# KiCad board V1.1_XT30_version.kicad_pcb (continued)
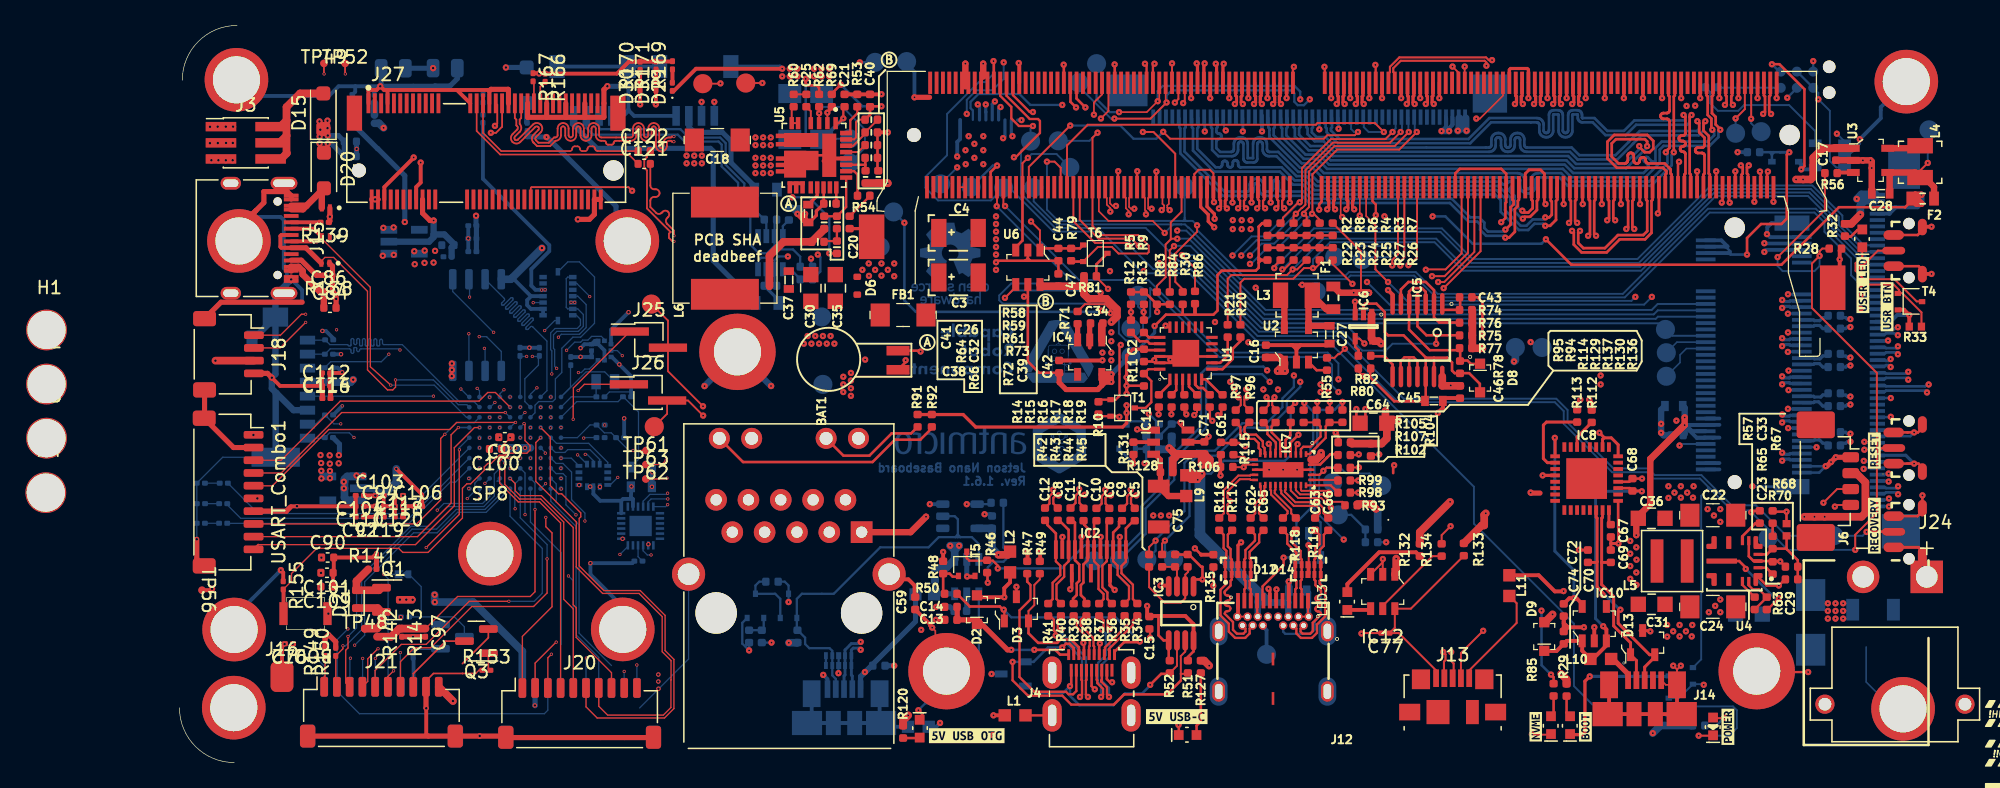
[diagram p0: board, top side]
## Routing (per net, layer and track width the routed paths; a pad name or vN(x,y) marks a point on that pad's centre or on a via; arc(x,y) is an arc through that point) (continued)
/CSI/CSI_D_D1_N: length 55.2
  Top w0.21: 109.64,42.49 109.64,44.13 109.73,44.21 109.73,45.2
  In5_3V3_SYS_SIGNAL.Cu w0.128: 134.27,20.12 134.09,20.29 132.63,20.29 132.04,20.88 121.25,20.88 119.59,22.55 115.47,22.55 112.33,25.69 112.33,26.26 112.33,26.29 112.32,26.32 112.3,26.34 112.28,26.36 112.26,26.37 112.23,26.38 112.21,26.39 112.06,26.39 111.98,26.4 111.9,26.42 111.84,26.46 111.78,26.52 111.74,26.59 111.71,26.66 111.7,26.74 111.7,26.79 111.71,26.87 111.74,26.95 111.78,27.01 111.84,27.07 111.9,27.11 111.98,27.14 112.06,27.15 112.83,27.15 112.86,27.15 112.89,27.16 112.91,27.18 112.93,27.19 112.94,27.22 112.95,27.24 112.96,27.27 112.96,27.28 112.95,27.31 112.94,27.33 112.93,27.36 112.91,27.38 112.89,27.39 112.86,27.4 112.83,27.4 112.08,27.4 112.01,27.41 111.94,27.44 111.88,27.48 111.82,27.53 111.79,27.59 111.76,27.66 111.75,27.74 111.75,27.84 111.76,27.91 111.79,27.98 111.82,28.04 111.88,28.09 111.94,28.13 112.01,28.16 112.08,28.17 112.83,28.17 112.86,28.17 112.89,28.18 112.91,28.19 112.93,28.21 112.94,28.24 112.95,28.26 112.96,28.29 112.96,28.3 112.95,28.33 112.94,28.35 112.93,28.38 112.91,28.4 112.89,28.41 112.86,28.42 112.83,28.42 112.06,28.42 111.98,28.43 111.9,28.46 111.84,28.5 111.78,28.56 111.74,28.62 111.71,28.7 111.7,28.78 111.7,28.83 111.71,28.91 111.74,28.98 111.78,29.05 111.84,29.11 111.9,29.15 111.98,29.18 112.06,29.18 112.21,29.18 112.23,29.19 112.26,29.2 112.28,29.21 112.3,29.23 112.32,29.25 112.33,29.28 112.33,29.31 112.33,38.69 111.6,39.43 109.62,39.43 109.39,39.66 108.36,40.69 108.36,42.93 108.66,43.23 109.46,43.23 109.61,43.08 109.61,42.6 v1(109.8,42.4)
  Bottom w0.21: 133.25,20.14 134.25,20.14
  vias: v1(134.3,20.12)
/CSI/CSI_D_D1_P: length 55.3
  Top w0.21: v1(109.16,42.4) 109.31,42.54 109.31,44.13 109.23,44.21 M1.66
  In5_3V3_SYS_SIGNAL.Cu w0.128: 134.27,20.74 134.07,20.54 133.78,20.54 133.75,20.54 133.72,20.55 133.7,20.57 133.68,20.59 133.66,20.61 133.65,20.64 133.65,20.67 133.65,20.78 133.65,20.8 133.64,20.83 133.62,20.86 133.6,20.88 133.58,20.89 133.55,20.9 133.52,20.9 133.49,20.9 133.47,20.89 133.44,20.88 133.42,20.86 133.41,20.83 133.4,20.8 133.4,20.78 133.4,20.67 133.39,20.64 133.38,20.61 133.37,20.59 133.35,20.57 133.32,20.55 133.3,20.54 133.27,20.54 132.74,20.54 132.72,20.56 132.71,20.59 132.7,20.62 132.7,20.65 132.71,20.67 132.72,20.7 132.74,20.72 132.89,20.87 132.9,20.89 132.92,20.92 132.92,20.94 132.92,20.97 132.92,21 132.9,21.03 132.89,21.05 132.86,21.07 132.84,21.08 132.81,21.09 132.78,21.09 132.75,21.08 132.73,21.07 132.7,21.05 132.56,20.9 132.54,20.88 132.51,20.87 132.48,20.87 132.45,20.87 132.43,20.87 132.4,20.88 132.38,20.9 132.14,21.14 121.35,21.14 119.69,22.8 115.57,22.8 112.58,25.79 112.58,26.28 112.57,26.36 112.55,26.44 112.5,26.51 112.45,26.56 112.38,26.6 112.31,26.63 112.23,26.64 112.08,26.64 112.05,26.64 112.03,26.65 112,26.67 111.98,26.69 111.97,26.71 111.96,26.74 111.96,26.76 111.96,26.77 111.96,26.8 111.97,26.83 111.98,26.85 112,26.87 112.03,26.88 112.05,26.89 112.08,26.9 112.85,26.9 112.93,26.9 113.01,26.93 113.07,26.97 113.13,27.03 113.17,27.1 113.2,27.17 113.21,27.25 113.21,27.3 113.2,27.38 113.17,27.46 113.13,27.52 113.07,27.58 113.01,27.62 112.93,27.65 112.85,27.66 112.1,27.66 112.08,27.66 112.06,27.67 112.04,27.68 112.03,27.69 112.02,27.71 112.01,27.73 112.01,27.76 112.01,27.81 112.01,27.84 112.02,27.86 112.03,27.88 112.04,27.89 112.06,27.9 112.08,27.91 112.1,27.91 112.85,27.91 112.93,27.92 113.01,27.95 113.07,27.99 113.13,28.05 113.17,28.11 113.2,28.19 113.21,28.27 113.21,28.32 113.2,28.4 113.17,28.47 113.13,28.54 113.07,28.6 113.01,28.64 112.93,28.67 112.85,28.68 112.08,28.68 112.05,28.68 112.03,28.69 112,28.7 111.98,28.72 111.97,28.75 111.96,28.77 111.96,28.8 111.96,28.81 111.96,28.84 111.97,28.86 111.98,28.88 112,28.9 112.03,28.92 112.05,28.93 112.08,28.93 112.23,28.93 112.31,28.94 112.38,28.97 112.45,29.01 112.5,29.07 112.55,29.13 112.57,29.21 112.58,29.29 112.58,38.8 111.7,39.68 109.72,39.68 108.61,40.79 108.61,42.82 108.76,42.97 109.36,42.97 109.36,42.59 v1(109.16,42.4)
  Bottom w0.21: 133.25,20.64 134.21,20.64 134.27,20.7
  vias: v1(134.3,20.74)
/CSI/CSI_E_CLK_N: length 43.8
  Top w0.21: M1.28 118.73,46.19 118.64,46.28 118.64,50.73 v1(118.79,50.87)
  Bottom w0.21: 90.04,50.62 90.04,49.9 90.13,49.82 90.13,49.52 90.99,48.65 101.4,48.65 103.04,50.3 106.62,50.3 106.67,50.29 106.71,50.28 106.75,50.25 106.79,50.22 106.81,50.18 106.83,50.13 106.83,50.09 106.83,49.64 106.85,49.53 106.88,49.42 106.94,49.32 107.03,49.24 107.12,49.18 107.23,49.14 107.35,49.13 107.41,49.13 107.52,49.14 107.63,49.18 107.73,49.24 107.81,49.32 107.87,49.42 107.91,49.53 107.92,49.64 107.92,50.86 107.92,50.87 107.93,50.88 107.93,50.89 107.94,50.9 107.95,50.91 107.97,50.91 107.98,50.91 108.28,50.91 108.3,50.91 108.31,50.91 108.32,50.9 108.33,50.89 108.34,50.88 108.34,50.87 108.34,50.86 108.34,49.64 108.36,49.53 108.39,49.42 108.45,49.32 108.54,49.24 108.63,49.18 108.74,49.14 108.86,49.13 108.92,49.13 109.03,49.14 109.14,49.18 109.24,49.24 109.32,49.32 109.38,49.42 109.42,49.53 109.43,49.64 109.43,50.86 109.43,50.87 109.44,50.88 109.44,50.89 109.45,50.9 109.46,50.91 109.48,50.91 109.49,50.91 109.79,50.91 109.81,50.91 109.82,50.91 109.83,50.9 109.84,50.89 109.85,50.88 109.85,50.87 109.85,50.86 109.85,50.67 109.86,50.58 109.89,50.51 109.93,50.44 109.99,50.38 110.06,50.33 110.14,50.31 110.22,50.3 111.03,50.3 112.03,49.29 113.62,49.29 114.44,50.11 118.45,50.11 118.64,50.31 118.64,50.73 v1(118.79,50.87)
/CSI/CSI_E_CLK_P: length 43.8
  Top w0.21: M1.30 118.23,46.19 118.31,46.28 118.31,47.79 118.3,47.83 118.29,47.88 118.26,47.92 118.23,47.95 118.19,47.97 118.15,47.99 118.06,48 118.01,48.01 117.98,48.04 117.94,48.07 117.92,48.11 117.9,48.15 117.9,48.2 117.9,48.21 117.9,48.25 117.92,48.3 117.94,48.34 117.98,48.37 118.01,48.39 118.06,48.41 118.15,48.42 118.19,48.43 118.23,48.46 118.26,48.49 118.29,48.53 118.3,48.57 118.31,48.62 118.3,48.67 118.29,48.71 118.26,48.75 118.23,48.78 118.19,48.81 118.15,48.82 118.1,48.83 118.01,48.83 117.96,48.83 117.92,48.85 117.88,48.88 117.84,48.91 117.82,48.95 117.8,48.99 117.8,49.04 117.8,49.09 117.82,49.13 117.84,49.17 117.88,49.2 117.92,49.23 117.96,49.24 118.01,49.25 118.1,49.25 118.15,49.25 118.19,49.27 118.23,49.3 118.26,49.33 118.29,49.37 118.3,49.41 118.31,49.46 118.31,50.73 v1(118.16,50.87)
  Bottom w0.21: v1(118.16,50.87) 118.31,50.73 118.31,50.44 114.3,50.44 113.48,49.63 112.17,49.63 111.16,50.63 110.24,50.63 110.23,50.63 110.22,50.64 110.21,50.64 110.2,50.65 110.19,50.66 110.19,50.68 110.19,50.69 110.19,50.88 110.18,50.96 110.15,51.04 110.11,51.11 110.05,51.17 109.98,51.21 109.9,51.24 109.82,51.25 109.47,51.25 109.38,51.24 109.31,51.21 109.24,51.17 109.18,51.11 109.13,51.04 109.11,50.96 109.1,50.88 109.1,49.67 109.09,49.63 109.08,49.58 109.05,49.54 109.02,49.51 108.98,49.49 108.93,49.47 108.89,49.46 108.84,49.47 108.8,49.49 108.76,49.51 108.72,49.54 108.7,49.58 108.68,49.63 108.68,49.67 108.68,50.88 108.67,50.96 108.64,51.04 108.6,51.11 108.54,51.17 108.47,51.21 108.39,51.24 108.31,51.25 107.96,51.25 107.87,51.24 107.8,51.21 107.73,51.17 107.67,51.11 107.62,51.04 107.6,50.96 107.59,50.88 107.59,49.67 107.58,49.63 107.57,49.58 107.54,49.54 107.51,49.51 107.47,49.49 107.42,49.47 107.38,49.46 107.33,49.47 107.29,49.49 107.25,49.51 107.21,49.54 107.19,49.58 107.17,49.63 107.17,49.67 107.17,50.12 107.15,50.23 107.12,50.34 107.06,50.44 106.97,50.52 106.88,50.58 106.77,50.62 106.65,50.63 102.91,50.63 101.26,48.99 91.13,48.99 90.46,49.66 90.46,49.82 90.54,49.9 90.54,50.62
/CSI/CSI_E_D0_N: length 43.7
  Top w0.21: v1(119.87,50.39) 119.73,50.24 119.73,49.65 120.14,49.23 120.14,46.28 120.23,46.19 M1.22
  Bottom w0.21: 88.54,50.62 88.54,49.9 88.63,49.82 88.63,49.37 89.19,48.81 89.89,48.81 90.72,47.98 102.89,47.98 103,48 103.11,48.03 103.21,48.09 103.29,48.18 103.35,48.27 103.39,48.38 103.4,48.5 103.4,48.91 103.41,48.96 103.42,49 103.45,49.04 103.48,49.08 103.52,49.1 103.57,49.12 103.61,49.12 103.66,49.12 103.7,49.1 103.74,49.08 103.78,49.04 103.8,49 103.82,48.96 103.82,48.91 103.82,48.5 103.84,48.38 103.87,48.27 103.93,48.18 104.02,48.09 104.11,48.03 104.22,48 104.34,47.98 104.39,47.98 104.5,48 104.61,48.03 104.71,48.09 104.79,48.18 104.85,48.27 104.89,48.38 104.9,48.5 104.9,48.91 104.91,48.96 104.92,49 104.95,49.04 104.98,49.08 105.02,49.1 105.07,49.12 105.11,49.12 105.16,49.12 105.2,49.1 105.24,49.08 105.28,49.04 105.3,49 105.32,48.96 105.32,48.91 105.32,48.5 105.34,48.38 105.37,48.27 105.43,48.18 105.52,48.09 105.61,48.03 105.72,48 105.84,47.98 109.24,47.98 109.84,47.38 112.96,47.38 114.2,48.62 114.2,48.63 114.48,48.91 114.49,48.91 114.85,49.28 119.35,49.28 119.73,49.65 119.73,50.24 v1(119.87,50.39)
/CSI/CSI_E_D0_P: length 43.7
  Top w0.21: v1(119.25,50.39) 119.39,50.24 119.39,49.51 119.81,49.09 119.81,48.52 119.8,48.47 119.79,48.43 119.76,48.39 119.73,48.36 119.69,48.33 119.65,48.32 119.6,48.31 119.29,48.31 119.25,48.31 119.2,48.29 119.16,48.26 119.13,48.23 119.1,48.19 119.09,48.15 119.08,48.1 119.09,48.05 119.1,48.01 119.13,47.97 119.16,47.94 119.2,47.91 119.25,47.9 119.29,47.89 119.6,47.89 119.65,47.89 119.69,47.87 119.73,47.84 119.76,47.81 119.79,47.77 119.8,47.73 119.81,47.68 119.81,46.28 119.73,46.19 M1.24
  Bottom w0.21: v1(119.25,50.39) 119.39,50.24 119.39,49.79 119.22,49.61 114.72,49.61 114.35,49.24 114.34,49.24 113.86,48.77 113.86,48.76 112.82,47.72 109.98,47.72 109.38,48.32 105.87,48.32 105.82,48.32 105.78,48.34 105.74,48.36 105.7,48.4 105.68,48.44 105.66,48.48 105.66,48.53 105.66,48.94 105.64,49.06 105.61,49.17 105.55,49.26 105.46,49.34 105.37,49.41 105.26,49.44 105.14,49.46 105.08,49.46 104.97,49.44 104.86,49.41 104.76,49.34 104.68,49.26 104.62,49.17 104.58,49.06 104.57,48.94 104.57,48.53 104.56,48.48 104.55,48.44 104.52,48.4 104.49,48.36 104.45,48.34 104.4,48.32 104.36,48.32 104.37,48.32 104.32,48.32 104.28,48.34 104.24,48.36 104.2,48.4 104.18,48.44 104.16,48.48 104.16,48.53 104.16,48.94 104.14,49.06 104.11,49.17 104.05,49.26 103.96,49.34 103.87,49.41 103.76,49.44 103.64,49.46 103.58,49.46 103.47,49.44 103.36,49.41 103.26,49.34 103.18,49.26 103.12,49.17 103.08,49.06 103.07,48.94 103.07,48.53 103.06,48.48 103.05,48.44 103.02,48.4 102.99,48.36 102.95,48.34 102.9,48.32 102.86,48.32 102.62,48.32 90.85,48.32 90.03,49.14 89.33,49.14 88.96,49.51 88.96,49.82 89.04,49.9 89.04,50.62
/CSI/CSI_E_D1_N: length 43.7
  Top w0.21: v1(115.3,48.43) 115.3,48.8 115.13,48.97 112.85,48.97 112.52,48.64 112.52,47.6 113.06,47.07 113.55,47.07 113.6,47.07 113.65,47.09 113.69,47.12 113.73,47.15 113.76,47.2 113.77,47.25 113.78,47.3 113.78,47.67 113.79,47.72 113.8,47.77 113.83,47.81 113.87,47.85 113.91,47.88 113.96,47.9 114.02,47.9 114.07,47.9 114.12,47.88 114.16,47.85 114.2,47.81 114.23,47.77 114.24,47.72 114.25,47.67 114.25,47.3 114.26,47.25 114.27,47.2 114.3,47.15 114.34,47.12 114.38,47.09 114.43,47.07 114.49,47.07 114.54,47.07 114.59,47.09 114.63,47.12 114.67,47.15 114.7,47.2 114.71,47.25 114.72,47.3 114.72,47.32 114.73,47.37 114.74,47.42 114.77,47.46 114.81,47.5 114.85,47.53 114.9,47.55 114.96,47.55 115.01,47.55 115.06,47.53 115.1,47.5 115.14,47.46 115.17,47.42 115.18,47.37 115.19,47.32 115.19,47.3 115.2,47.25 115.21,47.2 115.24,47.15 115.28,47.12 115.32,47.09 115.37,47.07 115.43,47.07 116.68,47.07 117.14,46.6 117.14,46.28 117.23,46.19 117.23,45.2
  Bottom w0.21: 87.54,50.62 87.54,49.9 87.63,49.82 87.63,49.18 88.71,48.1 89.65,48.1 90.44,47.31 108.96,47.31 109.58,46.69 113.67,46.69 115.16,48.19 115.16,48.28 v1(115.3,48.43) 115.3,48.37
/CSI/CSI_E_D1_P: length 43.5
  Top w0.21: v1(114.68,48.43) 114.68,48.37 115.11,47.95 115.5,47.95 115.78,48.23 115.78,48.84 115.31,49.31 112.71,49.31 112.18,48.78 112.18,47.46 112.92,46.73 116.54,46.73 116.81,46.46 116.81,46.28 116.73,46.19 116.73,45.2
  Bottom w0.21: 88.04,50.62 88.04,49.9 87.96,49.82 87.96,49.32 88.85,48.44 89.79,48.44 90.58,47.65 109.1,47.65 109.72,47.03 113.53,47.03 114.8,48.3 v1(114.68,48.43)
/CSI/CSI_F_D0_N: length 43.7
  Top w0.21: v1(121.05,49.71) 121.05,49.77 120.69,50.13 120.69,50.72 120.39,51.02 120.39,52.33 120.48,52.42 M1.21
  Bottom w0.21: v1(121.05,49.71) 120.9,49.57 120.9,49.14 120.21,48.45 116.59,48.45 116.29,48.15 116.29,47.11 115.16,45.98 109.34,45.98 108.68,46.64 90.16,46.64 89.37,47.43 88.33,47.43 86.63,49.13 86.63,49.82 86.54,49.9 86.54,50.62
/CSI/CSI_F_D0_P: length 43.7
  Top w0.21: M1.23 119.98,52.42 120.06,52.33 120.06,50.88 120.35,50.59 120.35,49.78 v1(120.42,49.71)
  Bottom w0.21: v1(120.42,49.71) 120.57,49.57 120.57,49.28 120.07,48.78 116.45,48.78 115.95,48.29 115.95,47.25 115.92,47.22 115.88,47.2 115.83,47.19 115.78,47.19 115.74,47.2 115.69,47.22 115.66,47.25 115.39,47.51 115.35,47.54 115.31,47.56 115.27,47.57 115.22,47.57 115.17,47.56 115.13,47.54 115.09,47.51 115.06,47.48 115.04,47.43 115.03,47.39 115.03,47.34 115.04,47.3 115.06,47.25 115.09,47.22 115.36,46.95 115.39,46.91 115.41,46.87 115.42,46.82 115.42,46.78 115.41,46.73 115.39,46.69 115.36,46.65 115.02,46.32 109.48,46.32 108.82,46.98 90.3,46.98 89.51,47.77 88.46,47.77 86.96,49.27 86.96,49.82 87.04,49.9 87.04,50.62
/CSI/CSI_F_D1_N: length 43.8
  Top w0.21: v1(117.39,47.95) 117.39,52.33 117.48,52.42 M1.33
  Bottom w0.21: v1(117.39,47.95) 117.39,47.89 117.23,47.73 117.23,46.93 115.61,45.31 109.07,45.31 108.41,45.97 106.77,45.97 106.71,45.97 106.66,45.95 106.61,45.92 106.57,45.88 106.54,45.83 106.52,45.77 106.51,45.71 106.51,45.28 106.5,45.16 106.46,45.04 106.39,44.93 106.3,44.84 106.2,44.78 106.08,44.74 105.96,44.72 105.89,44.72 105.76,44.74 105.65,44.78 105.54,44.84 105.45,44.93 105.38,45.04 105.34,45.16 105.33,45.28 105.33,45.71 105.32,45.77 105.3,45.83 105.27,45.88 105.23,45.92 105.18,45.95 105.13,45.97 105.07,45.97 89.77,45.97 89,46.74 88.03,46.74 85.63,49.14 85.63,49.29 85.62,49.29 85.62,49.69 85.63,49.7 85.63,49.82 85.54,49.9 85.54,50.62
/CSI/CSI_F_D1_P: length 43.8
  Top w0.21: v1(116.77,47.95) 116.91,48.09 116.91,48.15 117.06,48.29 117.06,50.35 117.05,50.4 117.04,50.45 117.01,50.49 116.97,50.53 116.93,50.55 116.88,50.57 116.83,50.57 116.59,50.57 116.54,50.58 116.49,50.6 116.45,50.62 116.41,50.66 116.38,50.7 116.37,50.75 116.36,50.8 116.37,50.85 116.38,50.9 116.41,50.94 116.45,50.98 116.49,51 116.54,51.02 116.59,51.02 116.83,51.02 116.88,51.03 116.93,51.05 116.97,51.07 117.01,51.11 117.04,51.15 117.05,51.2 117.06,51.25 117.06,52.33 116.98,52.42 M1.35
  Bottom w0.21: v1(116.77,47.95) 116.9,47.82 116.9,47.07 115.48,45.65 109.2,45.65 108.54,46.31 106.74,46.31 106.61,46.29 106.5,46.25 106.39,46.19 106.3,46.1 106.23,45.99 106.19,45.87 106.18,45.75 106.18,45.32 106.17,45.26 106.15,45.2 106.12,45.15 106.08,45.11 106.03,45.08 105.98,45.06 105.92,45.06 105.86,45.06 105.81,45.08 105.76,45.11 105.72,45.15 105.69,45.2 105.67,45.26 105.66,45.32 105.66,45.75 105.65,45.87 105.61,45.99 105.54,46.1 105.45,46.19 105.35,46.25 105.23,46.29 105.11,46.31 89.91,46.31 89.14,47.08 88.17,47.08 85.96,49.28 85.96,49.82 86.04,49.9 86.04,50.62
/CSI/CSI_G_CLK_N: length 37.3
  Top w0.21: v1(105.54,42.73) 105.68,42.88 106.11,42.88 106.64,43.42 106.64,44.13 106.73,44.21 M1.76
  Bottom w0.21: v1(105.54,42.73) 105.45,42.73 104.56,43.62 104.56,44.38 103.63,45.3 89.3,45.3 88.53,46.07 87.75,46.07 86.18,47.64 85.61,47.64 85.5,47.65 85.39,47.69 85.29,47.75 85.21,47.83 85.15,47.93 85.11,48.04 85.1,48.15 85.1,48.57 85.09,48.62 85.08,48.66 85.05,48.7 85.02,48.73 84.98,48.76 84.93,48.77 84.89,48.78 84.84,48.77 84.8,48.76 84.76,48.73 84.72,48.7 84.7,48.66 84.68,48.62 84.68,48.57 84.68,47.46 84.67,47.39 84.65,47.32 84.61,47.26 84.56,47.21 84.5,47.18 84.44,47.15 84.37,47.15 83.9,47.15 83.83,47.15 83.76,47.18 83.7,47.21 83.66,47.26 83.62,47.32 83.6,47.39 83.59,47.46 83.59,48.57 83.58,48.62 83.57,48.66 83.54,48.7 83.51,48.73 83.47,48.76 83.42,48.77 83.38,48.78 83.33,48.77 83.29,48.76 83.25,48.73 83.21,48.7 83.19,48.66 83.17,48.62 83.17,48.57 83.17,48.15 83.15,48.04 83.12,47.93 83.06,47.83 82.97,47.75 82.88,47.69 82.77,47.65 82.65,47.64 81.62,47.64 81.13,48.13 81.13,49.82 81.04,49.9 81.04,50.62
/CSI/CSI_G_CLK_P: length 37.3
  Top w0.21: v1(105.5,43.36) 105.64,43.21 105.97,43.21 106.31,43.55 106.31,44.13 106.23,44.21 M1.78
  Bottom w0.21: 84.34,48.61 84.34,47.49 83.92,47.49 83.92,48.61 ; 84.34,48.6 84.36,48.72 84.39,48.82 84.45,48.92 84.54,49 84.63,49.06 84.74,49.1 84.86,49.11 84.92,49.11 85.03,49.1 85.14,49.06 85.24,49 85.32,48.92 85.38,48.82 85.42,48.72 85.43,48.6 85.43,48.18 85.44,48.14 85.45,48.09 85.48,48.05 85.51,48.02 85.55,47.99 85.6,47.98 85.64,47.97 86.32,47.97 87.89,46.41 88.67,46.41 89.44,45.64 103.77,45.64 103.96,45.45 104,45.42 104.04,45.4 104.08,45.39 104.13,45.39 104.18,45.4 104.22,45.42 104.26,45.45 104.38,45.58 104.42,45.61 104.46,45.63 104.51,45.64 104.56,45.64 104.6,45.63 104.64,45.61 104.68,45.58 104.71,45.54 104.73,45.5 104.74,45.45 104.74,45.4 104.73,45.36 104.71,45.32 104.68,45.28 104.55,45.15 104.52,45.12 104.5,45.07 104.49,45.03 104.49,44.98 104.5,44.93 104.52,44.89 104.55,44.85 104.89,44.52 104.89,43.87 105.4,43.36 v1(105.5,43.36) ; 81.54,50.62 81.54,49.9 81.46,49.82 81.46,49.61 81.47,49.57 81.48,49.52 81.5,49.49 81.53,49.46 81.57,49.43 81.61,49.42 81.7,49.41 81.74,49.4 81.78,49.37 81.81,49.34 81.83,49.3 81.85,49.26 81.85,49.22 81.85,49.19 81.85,49.15 81.83,49.1 81.81,49.07 81.78,49.04 81.74,49.01 81.7,49 81.61,48.99 81.57,48.98 81.53,48.95 81.5,48.92 81.48,48.88 81.47,48.84 81.46,48.8 81.46,48.27 81.76,47.97 82.62,47.97 82.67,47.98 82.71,47.99 82.75,48.02 82.79,48.05 82.81,48.09 82.83,48.14 82.83,48.18 82.83,48.6 82.85,48.72 82.88,48.82 82.94,48.92 83.03,49 83.12,49.06 83.23,49.1 83.35,49.11 83.41,49.11 83.52,49.1 83.63,49.06 83.73,49 83.81,48.92 83.87,48.82 83.91,48.72 83.92,48.6
/CSI/CSI_G_D0_N: length 37.3
  Top w0.21: v1(107.3,42.17) 107.68,42.17 108.14,42.64 108.14,44.13 108.24,44.23 108.24,44.51 108.23,44.52 M1.70
  Bottom w0.21: v1(107.3,42.17) 107.13,42.33 106.45,42.33 105.96,41.84 105.22,41.84 103.8,43.26 103.8,44.19 103.35,44.63 89.02,44.63 88.25,45.4 87.47,45.4 86.45,46.43 81.27,46.43 79.63,48.07 79.63,49.82 79.54,49.9 79.54,50.62
/CSI/CSI_G_D0_P: length 37.3
  Top w0.21: v1(107.3,42.83) 107.61,42.83 107.81,43.03 107.81,44.08 107.73,44.16 M1.72
  Bottom w0.21: 80.04,50.62 80.04,49.9 79.96,49.82 79.96,48.21 81.41,46.76 81.7,46.76 81.75,46.77 81.79,46.78 81.83,46.81 81.87,46.84 81.89,46.88 81.91,46.93 81.91,46.97 81.91,47.06 81.92,47.11 81.93,47.15 81.96,47.19 81.99,47.23 82.03,47.25 82.08,47.27 82.12,47.27 82.17,47.27 82.21,47.25 82.25,47.23 82.29,47.19 82.31,47.15 82.33,47.11 82.33,47.06 82.33,46.97 82.34,46.93 82.35,46.88 82.38,46.84 82.41,46.81 82.45,46.78 82.5,46.77 82.54,46.76 82.59,46.77 82.63,46.78 82.67,46.81 82.71,46.84 82.73,46.88 82.75,46.93 82.75,46.97 82.75,47.11 82.76,47.16 82.77,47.2 82.8,47.24 82.83,47.28 82.87,47.3 82.92,47.32 82.96,47.32 83.01,47.32 83.05,47.3 83.09,47.28 83.13,47.24 83.15,47.2 83.17,47.16 83.17,47.11 83.17,46.97 83.18,46.93 83.19,46.88 83.22,46.84 83.25,46.81 83.29,46.78 83.34,46.77 83.38,46.76 86.59,46.76 87.61,45.74 88.39,45.74 89.16,44.97 103.49,44.97 104.13,44.33 104.13,43.4 105.36,42.17 105.82,42.17 106.31,42.67 107.14,42.67 v1(107.3,42.83)
/CSI/CSI_G_D1_N: length 37.3
  Top w0.21: v1(104.16,41.24) 104.45,41.24 104.91,41.7 104.91,43.48 105.14,43.72 105.14,44.13 105.23,44.21 M1.82
  Bottom w0.21: v1(104.16,41.24) 104.01,41.39 102.65,41.39 102.18,41.86 102.18,42.28 101.96,42.5 101.27,42.5 99.81,43.96 88.75,43.96 88.18,44.53 85.34,44.53 85.23,44.54 85.12,44.58 85.02,44.64 84.94,44.72 84.88,44.82 84.84,44.92 84.83,45.04 84.83,45.32 84.83,45.37 84.81,45.41 84.78,45.45 84.75,45.48 84.71,45.51 84.67,45.52 84.62,45.53 84.57,45.52 84.53,45.51 84.49,45.48 84.46,45.45 84.43,45.41 84.42,45.37 84.41,45.32 84.41,45.04 84.4,44.92 84.36,44.82 84.3,44.72 84.22,44.64 84.12,44.58 84.01,44.54 83.9,44.53 83.87,44.53 81.96,44.53 78.63,47.86 78.63,49.82 78.54,49.9 78.54,50.62
/CSI/CSI_G_D1_P: length 37.3
  Top w0.21: v1(104.17,41.87) 104.17,41.86 104.58,42.27 104.58,43.62 104.81,43.85 104.81,44.13 104.73,44.21 M1.84
  Bottom w0.21: v1(104.17,41.87) 104.02,41.72 102.79,41.72 102.52,41.99 102.52,42.42 102.1,42.84 101.41,42.84 99.95,44.3 88.88,44.3 88.32,44.86 86.59,44.86 86.54,44.87 86.49,44.88 86.45,44.91 86.41,44.95 86.39,44.99 86.37,45.04 86.37,45.09 86.37,45.57 86.36,45.62 86.34,45.67 86.32,45.71 86.28,45.74 86.24,45.77 86.19,45.79 86.14,45.79 86.09,45.79 86.04,45.77 86,45.74 85.96,45.71 85.94,45.67 85.92,45.62 85.92,45.57 85.92,45.09 85.91,45.04 85.89,44.99 85.87,44.95 85.83,44.91 85.79,44.88 85.74,44.87 85.69,44.86 85.38,44.86 85.33,44.87 85.28,44.88 85.24,44.91 85.21,44.94 85.19,44.98 85.17,45.02 85.17,45.07 85.17,45.35 85.15,45.46 85.11,45.57 85.05,45.67 84.97,45.75 84.87,45.81 84.77,45.85 84.65,45.86 84.59,45.86 84.47,45.85 84.37,45.81 84.27,45.75 84.19,45.67 84.13,45.57 84.09,45.46 84.08,45.35 84.08,45.07 84.07,45.02 84.05,44.98 84.03,44.94 84,44.91 83.96,44.88 83.91,44.87 83.87,44.86 82.1,44.86 78.96,48 78.96,49.82 79.04,49.9 79.04,50.62
/Display/TMDS_C1_CLK_N: length 7.4
  Top w0.18: IC2.12 68.85,15.81 69.2,15.46 69.2,14.73 68.6,14.12 68.6,12.84 R41.1
  Top w0.2: 68.19,19.06 68.19,18.66 68.85,18 IC2.12
/Display/TMDS_C1_CLK_P: length 7.3
  Top w0.18: R40.1 68.9,12.84 68.9,14 69.5,14.6 69.5,15.46 69.85,15.81 IC2.10
  Top w0.2: IC2.10 69.85,18.28 69.16,18.98
/Display/TMDS_C1_D0_N: length 7
  Top w0.2: 70.12,19.08 70.35,18.84 IC2.9 70.35,15.9 70.69,15.56 70.69,14.28 70.49,14.08 70.49,13.16 70.2,12.87 70.2,12.48
/Display/TMDS_C1_D0_P: length 7.1
  Top w0.2: 71.07,19.08 71.07,18.69 71.45,18.31 71.45,17.79 71.35,17.69 IC2.7 71.35,15.9 71.02,15.56 71.02,14.14 70.82,13.94 70.82,13.16 71.1,12.87 71.1,12.48
/Display/TMDS_C1_D1_N: length 7.1
  Top w0.18: IC2.6 71.85,15.82 72.2,15.47 72.2,13.63 72.6,13.24 72.6,12.84 R37.1
  Top w0.2: IC2.6 71.85,18.9 72.03,19.08
/Display/TMDS_C1_D1_P: length 7.1
  Top w0.18: IC2.4 72.85,15.82 72.85,15.82 72.5,15.47 72.5,13.76 72.9,13.36 72.9,12.84 R36.1
  Top w0.2: IC2.4 72.85,18.94 72.99,19.08
/Display/TMDS_C1_D2_N: length 7.5
  Top w0.18: R35.1 74.6,12.84 74.6,13.85 73.7,14.74 73.7,15.47 73.35,15.82 IC2.3
  Top w0.2: IC2.3 73.35,18.07 73.81,18.53 73.81,18.95 73.94,19.08
/Display/TMDS_C1_D2_P: length 7.3
  Top w0.18: R34.1 74.9,12.84 74.9,13.97 74,14.87 74,15.44 74.35,15.79 IC2.1
  Top w0.2: IC2.1 74.35,18.4 74.9,18.95
/Display/TMDS_CEC: length 50.8
  Top w0.15: v1(99.31,37.27) 102.21,40.17 102.21,45.19 M1.94
  In3_SIGNAL.Cu w0.15: v1(85.65,29.91) 86.65,29.91 87.55,29.01 88.45,29.01 88.95,29.51 88.95,32.21 90.75,34.01 96.45,34.01 99.31,36.87 v1(99.31,37.27)
  Bottom w0.18: TP25.1 75.9,17.96 75.9,19.96 78.15,22.21 78.15,23.81 80.65,26.31 80.65,30.01 81.15,30.51 85.05,30.51 v1(85.65,29.91)
/Display/TMDS_CEC_IN: length 10.3
  Top w0.15: 67.59,14.85 67.59,14.39 67.16,13.95 67.16,12.37 66.7,11.91 D3.2
  Top w0.2: J4.15 70.66,9.05 70.06,9.65 69.21,9.65 68.96,9.4 67.46,9.4 66.7,10.16 D3.2
/Display/TMDS_CLK_C_N: length 9.8
  Top w0.18: 68.4,11.52 68.7,11.22 68.7,10.35 68.84,10.21 v1(68.84,9.98) ; v1(70.75,5.15) 70.91,5.31 70.91,6.46 70.86,6.5 J4.14
  Bottom w0.18: v1(68.84,9.98) 69.06,9.98 70.91,8.14 70.91,5.31 v1(70.75,5.15)
/Display/TMDS_CLK_C_P: length 9.8
  Top w0.18: J4.12 71.26,6.5 71.21,6.46 71.21,5.31 v1(71.37,5.15) ; 69.3,11.52 69,11.22 69,10.47 69.05,10.42 v1(69.28,10.42)
  Bottom w0.18: v1(71.37,5.15) 71.21,5.31 71.21,8.27 69.28,10.2 v1(69.28,10.42)
/Display/TMDS_CLK_N: length 70.7
  Top w0.18: C12.1 68.35,20.34 68.35,20.92 68.63,21.2 v1(68.63,21.43)
  Top w0.25: v1(105.54,51.74) 105.41,51.87 105.41,52.33 105.48,52.39 105.48,53.4
  In3_SIGNAL.Cu w0.18: v1(68.63,21.43) 68.49,21.29 68.25,21.29 67.8,21.74 67.8,22.26 67.81,22.3 67.82,22.34 67.84,22.37 67.87,22.4 67.9,22.42 67.94,22.44 67.98,22.44 68.11,22.44 68.15,22.45 68.18,22.46 68.22,22.48 68.25,22.51 68.27,22.54 68.28,22.58 68.29,22.62 68.28,22.66 68.27,22.7 68.25,22.73 68.22,22.76 68.18,22.78 68.15,22.8 68.11,22.8 67.98,22.8 67.94,22.81 67.9,22.82 67.87,22.84 67.84,22.87 67.82,22.9 67.81,22.94 67.8,22.98 67.8,28.49 67.79,28.59 67.76,28.69 67.7,28.77 67.63,28.84 67.55,28.9 67.45,28.93 67.35,28.94 67.17,28.94 67.13,28.94 67.1,28.96 67.06,28.98 67.04,29 67.02,29.04 67,29.07 67,29.11 67,29.16 67,29.2 67.02,29.24 67.04,29.27 67.06,29.3 67.1,29.32 67.13,29.33 67.17,29.34 67.35,29.34 67.45,29.35 67.55,29.38 67.63,29.43 67.7,29.5 67.76,29.59 67.79,29.68 67.8,29.78 67.8,29.89 67.79,29.99 67.76,30.09 67.7,30.17 67.63,30.24 67.55,30.3 67.45,30.33 67.35,30.34 67.17,30.34 67.13,30.34 67.1,30.36 67.06,30.38 67.04,30.4 67.02,30.44 67,30.47 67,30.51 67,30.56 67,30.6 67.02,30.64 67.04,30.67 67.06,30.7 67.1,30.72 67.13,30.73 67.17,30.74 67.35,30.74 67.45,30.75 67.55,30.78 67.63,30.83 67.7,30.9 67.76,30.99 67.79,31.08 67.8,31.18 67.8,34.71 69.2,36.11 69.2,44.48 72.85,48.13 103.13,48.13 105.54,50.53 v1(105.54,51.74)
/Display/TMDS_CLK_P: length 70.7
  Top w0.18: v1(69.07,20.99) 68.84,20.99 68.65,20.8 68.65,20.34 C8.1
  Top w0.25: v1(104.91,51.74) 105.04,51.87 105.04,52.33 104.98,52.39 104.98,53.4
  In3_SIGNAL.Cu w0.18: v1(69.07,20.99) 68.88,20.99 68.85,20.97 68.41,20.97 68.38,20.99 68.12,20.99 67.5,21.62 67.5,28.46 67.49,28.5 67.48,28.54 67.46,28.57 67.43,28.6 67.4,28.62 67.36,28.63 67.33,28.64 67.14,28.64 67.04,28.65 66.95,28.68 66.86,28.73 66.79,28.8 66.74,28.89 66.71,28.98 66.7,29.08 66.7,29.19 66.71,29.29 66.74,29.39 66.79,29.47 66.86,29.54 66.95,29.6 67.04,29.63 67.14,29.64 67.33,29.64 67.36,29.64 67.4,29.66 67.43,29.68 67.46,29.7 67.48,29.74 67.49,29.77 67.5,29.81 67.5,29.86 67.49,29.9 67.48,29.94 67.46,29.97 67.43,30 67.4,30.02 67.36,30.03 67.33,30.04 67.14,30.04 67.04,30.05 66.95,30.08 66.86,30.13 66.79,30.2 66.74,30.29 66.71,30.38 66.7,30.48 66.7,30.59 66.71,30.69 66.74,30.79 66.79,30.87 66.86,30.94 66.95,31 67.04,31.03 67.14,31.04 67.33,31.04 67.36,31.04 67.4,31.06 67.43,31.08 67.46,31.1 67.48,31.14 67.49,31.17 67.5,31.21 67.5,34.86 68.9,36.26 68.9,44.61 72.72,48.43 103.01,48.43 105.07,50.5 105.07,51.58 v1(104.91,51.74)